# Altium PCB amp.PcbDoc (part 8 of 20)
Units mm, origin at the board's own origin, x right, y up, seen from the top; angles counter-clockwise.
Board outline 210 x 210 mm, 2 copper layers (Top Layer, Bottom Layer); 742 components, 1354 nets, 6402 pads, 5154 vias.
Unrouted connection lines stored in the file: 702.
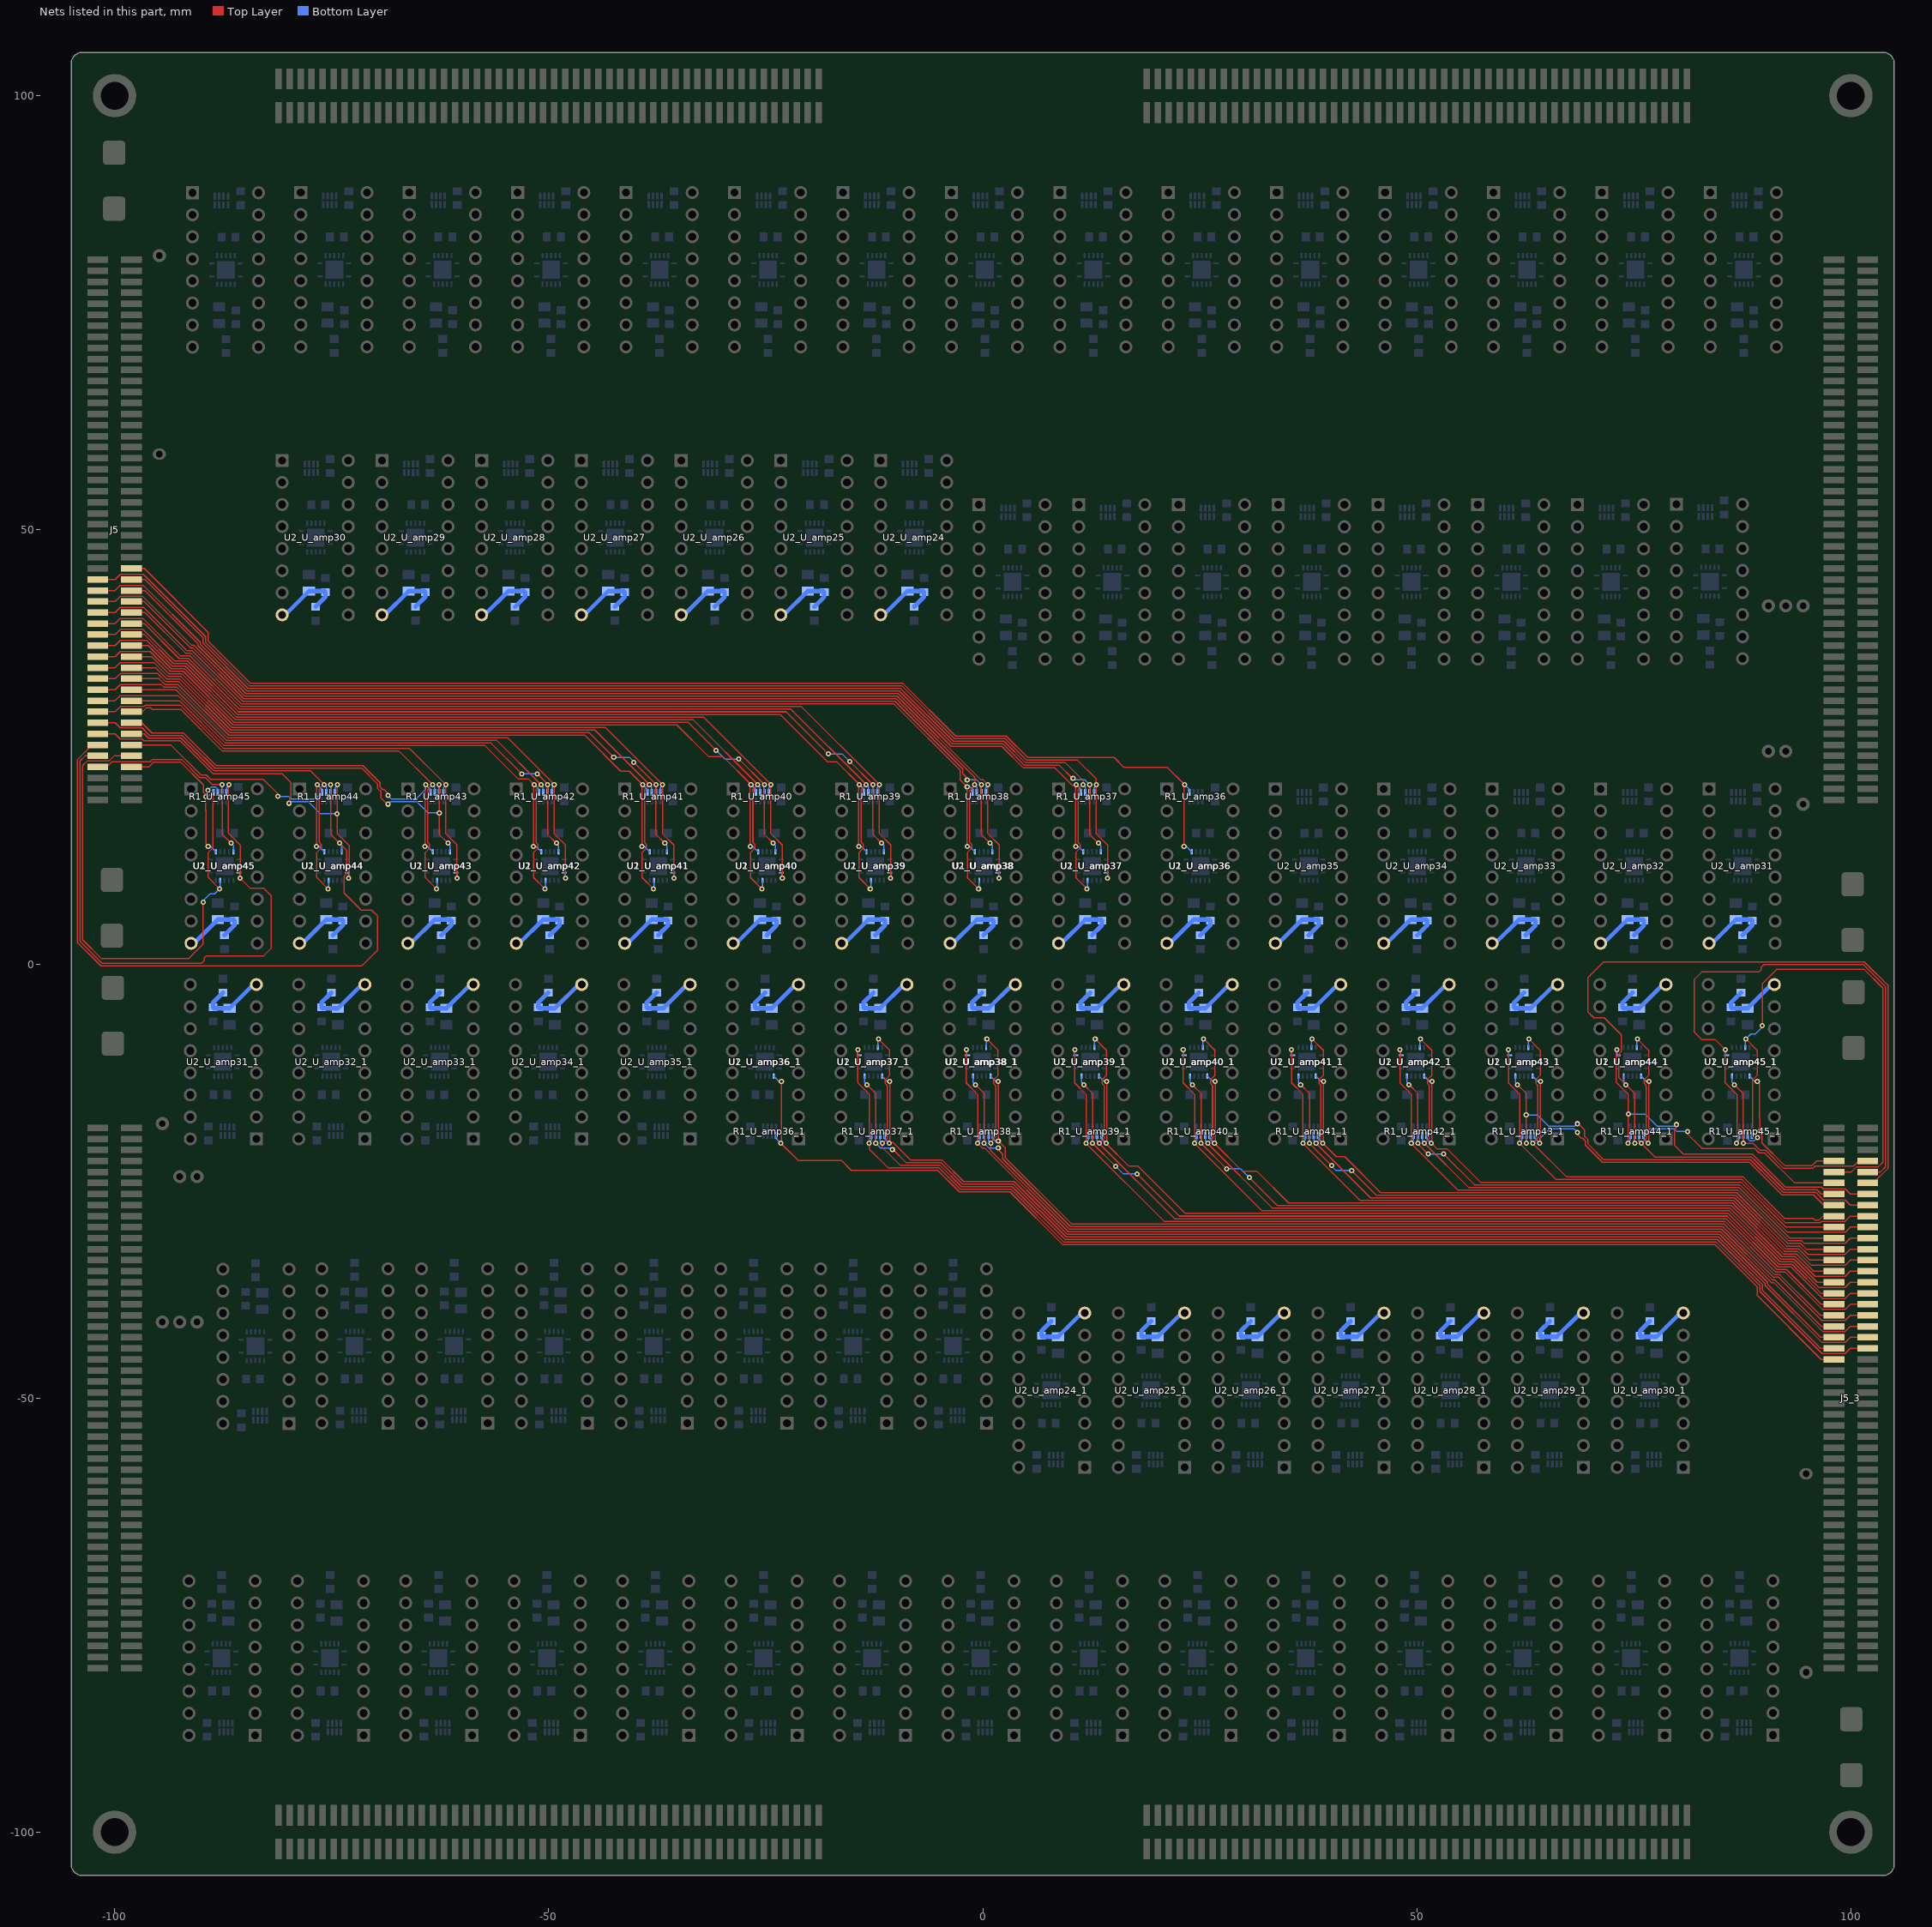
[diagram p8: the nets of this part, all layers, seen from the top]

## Via types
v1: diameter 0.6, hole 0.3, Top Layer to Bottom Layer, tented both sides, 4704 vias
v2: diameter 0.5, hole 0.3, Top Layer to Bottom Layer, 450 vias

## Nets (pads, with @x,y where several pads share a name; then routed paths per layer and width w, separated by ;. In a path a pad name is that pad's centre, name@x,y a point inside that pad or via, vN(x,y) a via of type N, cw(c..) or ccw(c..) an arc to the next point about the centre after c; other vN are vias at no path point) (continued)
NetC3_U_amp24_2: C3_U_amp24.2 C3_U_amp24_1.2 C4_U_amp24.2 C4_U_amp24_1.2 R2_U_amp24.1 R2_U_amp24_1.1 U2_U_amp24.8 U2_U_amp24_1.8 | length 16.7
  Bottom Layer w0.5: U2_U_amp24.8@-11.757,40.216 -11.395,40.216 C4_U_amp24.2@-8.668,42.943 -6.867,42.943 C3_U_amp24.2@-6.763,42.839 -6.763,42.28 R2_U_amp24.1@-7.906,41.137 ; R2_U_amp24_1.1@7.906,-41.137 6.763,-42.28 C3_U_amp24_1.2@6.763,-42.839 6.867,-42.943 C4_U_amp24_1.2@8.668,-42.943 11.395,-40.216 U2_U_amp24_1.8@11.757,-40.216
NetC3_U_amp25_2: C3_U_amp25.2 C3_U_amp25_1.2 C4_U_amp25.2 C4_U_amp25_1.2 R2_U_amp25.1 R2_U_amp25_1.1 U2_U_amp25.8 U2_U_amp25_1.8 | length 16.7
  Bottom Layer w0.5: U2_U_amp25.8@-23.247,40.216 -22.885,40.216 C4_U_amp25.2@-20.158,42.943 -18.357,42.943 C3_U_amp25.2@-18.253,42.839 -18.253,42.28 R2_U_amp25.1@-19.396,41.137 ; R2_U_amp25_1.1@19.396,-41.137 18.253,-42.28 C3_U_amp25_1.2@18.253,-42.839 18.357,-42.943 C4_U_amp25_1.2@20.158,-42.943 22.885,-40.216 U2_U_amp25_1.8@23.247,-40.216
NetC3_U_amp26_2: C3_U_amp26.2 C3_U_amp26_1.2 C4_U_amp26.2 C4_U_amp26_1.2 R2_U_amp26.1 R2_U_amp26_1.1 U2_U_amp26.8 U2_U_amp26_1.8 | length 16.7
  Bottom Layer w0.5: U2_U_amp26.8@-34.737,40.216 -34.375,40.216 C4_U_amp26.2@-31.648,42.943 -29.847,42.943 C3_U_amp26.2@-29.743,42.839 -29.743,42.28 R2_U_amp26.1@-30.886,41.137 ; R2_U_amp26_1.1@30.886,-41.137 29.743,-42.28 C3_U_amp26_1.2@29.743,-42.839 29.847,-42.943 C4_U_amp26_1.2@31.648,-42.943 34.375,-40.216 U2_U_amp26_1.8@34.737,-40.216
NetC3_U_amp27_2: C3_U_amp27.2 C3_U_amp27_1.2 C4_U_amp27.2 C4_U_amp27_1.2 R2_U_amp27.1 R2_U_amp27_1.1 U2_U_amp27.8 U2_U_amp27_1.8 | length 16.7
  Bottom Layer w0.5: U2_U_amp27.8@-46.228,40.216 -45.866,40.216 C4_U_amp27.2@-43.139,42.943 -41.338,42.943 C3_U_amp27.2@-41.234,42.839 -41.234,42.28 R2_U_amp27.1@-42.377,41.137 ; R2_U_amp27_1.1@42.377,-41.137 41.234,-42.28 C3_U_amp27_1.2@41.234,-42.839 41.338,-42.943 C4_U_amp27_1.2@43.139,-42.943 45.866,-40.216 U2_U_amp27_1.8@46.228,-40.216
NetC3_U_amp28_2: C3_U_amp28.2 C3_U_amp28_1.2 C4_U_amp28.2 C4_U_amp28_1.2 R2_U_amp28.1 R2_U_amp28_1.1 U2_U_amp28.8 U2_U_amp28_1.8 | length 16.7
  Bottom Layer w0.5: U2_U_amp28.8@-57.718,40.216 -57.356,40.216 C4_U_amp28.2@-54.629,42.943 -52.828,42.943 C3_U_amp28.2@-52.724,42.839 -52.724,42.28 R2_U_amp28.1@-53.867,41.137 ; R2_U_amp28_1.1@53.867,-41.137 52.724,-42.28 C3_U_amp28_1.2@52.724,-42.839 52.828,-42.943 C4_U_amp28_1.2@54.629,-42.943 57.356,-40.216 U2_U_amp28_1.8@57.718,-40.216
NetC3_U_amp29_2: C3_U_amp29.2 C3_U_amp29_1.2 C4_U_amp29.2 C4_U_amp29_1.2 R2_U_amp29.1 R2_U_amp29_1.1 U2_U_amp29.8 U2_U_amp29_1.8 | length 16.7
  Bottom Layer w0.5: U2_U_amp29.8@-69.208,40.216 -68.846,40.216 C4_U_amp29.2@-66.119,42.943 -64.318,42.943 C3_U_amp29.2@-64.214,42.839 -64.214,42.28 R2_U_amp29.1@-65.357,41.137 ; R2_U_amp29_1.1@65.357,-41.137 64.214,-42.28 C3_U_amp29_1.2@64.214,-42.839 64.318,-42.943 C4_U_amp29_1.2@66.119,-42.943 68.846,-40.216 U2_U_amp29_1.8@69.208,-40.216
NetC3_U_amp30_2: C3_U_amp30.2 C3_U_amp30_1.2 C4_U_amp30.2 C4_U_amp30_1.2 R2_U_amp30.1 R2_U_amp30_1.1 U2_U_amp30.8 U2_U_amp30_1.8 | length 16.7
  Bottom Layer w0.5: U2_U_amp30.8@-80.698,40.216 -80.336,40.216 C4_U_amp30.2@-77.609,42.943 -75.808,42.943 C3_U_amp30.2@-75.704,42.839 -75.704,42.28 R2_U_amp30.1@-76.847,41.137 ; R2_U_amp30_1.1@76.847,-41.137 75.704,-42.28 C3_U_amp30_1.2@75.704,-42.839 75.808,-42.943 C4_U_amp30_1.2@77.609,-42.943 80.336,-40.216 U2_U_amp30_1.8@80.698,-40.216
NetC3_U_amp31_2: C3_U_amp31.2 C3_U_amp31_1.2 C4_U_amp31.2 C4_U_amp31_1.2 R2_U_amp31.1 R2_U_amp31_1.1 U2_U_amp31.8 U2_U_amp31_1.8 | length 16.7
  Bottom Layer w0.5: R2_U_amp31_1.1@-87.519,-3.304 -88.662,-4.447 C3_U_amp31_1.2@-88.662,-5.006 -88.558,-5.11 C4_U_amp31_1.2@-86.757,-5.11 -84.03,-2.383 U2_U_amp31_1.8@-83.668,-2.383 ; U2_U_amp31.8@83.668,2.383 84.03,2.383 C4_U_amp31.2@86.757,5.11 88.558,5.11 C3_U_amp31.2@88.662,5.006 88.662,4.447 R2_U_amp31.1@87.519,3.304
NetC3_U_amp32_2: C3_U_amp32.2 C3_U_amp32_1.2 C4_U_amp32.2 C4_U_amp32_1.2 R2_U_amp32.1 R2_U_amp32_1.1 U2_U_amp32.8 U2_U_amp32_1.8 | length 16.7
  Bottom Layer w0.5: R2_U_amp32_1.1@-75.029,-3.304 -76.172,-4.447 C3_U_amp32_1.2@-76.172,-5.006 -76.068,-5.11 C4_U_amp32_1.2@-74.267,-5.11 -71.54,-2.383 U2_U_amp32_1.8@-71.178,-2.383 ; U2_U_amp32.8@71.178,2.383 71.54,2.383 C4_U_amp32.2@74.267,5.11 76.068,5.11 C3_U_amp32.2@76.172,5.006 76.172,4.447 R2_U_amp32.1@75.029,3.304
NetC3_U_amp33_2: C3_U_amp33.2 C3_U_amp33_1.2 C4_U_amp33.2 C4_U_amp33_1.2 R2_U_amp33.1 R2_U_amp33_1.1 U2_U_amp33.8 U2_U_amp33_1.8 | length 16.7
  Bottom Layer w0.5: R2_U_amp33_1.1@-62.539,-3.304 -63.682,-4.447 C3_U_amp33_1.2@-63.682,-5.006 -63.578,-5.11 C4_U_amp33_1.2@-61.777,-5.11 -59.05,-2.383 U2_U_amp33_1.8@-58.688,-2.383 ; U2_U_amp33.8@58.688,2.383 59.05,2.383 C4_U_amp33.2@61.777,5.11 63.578,5.11 C3_U_amp33.2@63.682,5.006 63.682,4.447 R2_U_amp33.1@62.539,3.304
NetC3_U_amp34_2: C3_U_amp34.2 C3_U_amp34_1.2 C4_U_amp34.2 C4_U_amp34_1.2 R2_U_amp34.1 R2_U_amp34_1.1 U2_U_amp34.8 U2_U_amp34_1.8 | length 16.7
  Bottom Layer w0.5: R2_U_amp34_1.1@-50.048,-3.304 -51.191,-4.447 C3_U_amp34_1.2@-51.191,-5.006 -51.087,-5.11 C4_U_amp34_1.2@-49.286,-5.11 -46.559,-2.383 U2_U_amp34_1.8@-46.197,-2.383 ; U2_U_amp34.8@46.197,2.383 46.559,2.383 C4_U_amp34.2@49.286,5.11 51.087,5.11 C3_U_amp34.2@51.191,5.006 51.191,4.447 R2_U_amp34.1@50.048,3.304
NetC3_U_amp35_2: C3_U_amp35.2 C3_U_amp35_1.2 C4_U_amp35.2 C4_U_amp35_1.2 R2_U_amp35.1 R2_U_amp35_1.1 U2_U_amp35.8 U2_U_amp35_1.8 | length 16.7
  Bottom Layer w0.5: R2_U_amp35_1.1@-37.558,-3.304 -38.701,-4.447 C3_U_amp35_1.2@-38.701,-5.006 -38.597,-5.11 C4_U_amp35_1.2@-36.796,-5.11 -34.069,-2.383 U2_U_amp35_1.8@-33.707,-2.383 ; U2_U_amp35.8@33.707,2.383 34.069,2.383 C4_U_amp35.2@36.796,5.11 38.597,5.11 C3_U_amp35.2@38.701,5.006 38.701,4.447 R2_U_amp35.1@37.558,3.304
NetC3_U_amp36_2: C3_U_amp36.2 C3_U_amp36_1.2 C4_U_amp36.2 C4_U_amp36_1.2 R2_U_amp36.1 R2_U_amp36_1.1 U2_U_amp36.8 U2_U_amp36_1.8 | length 16.7
  Bottom Layer w0.5: R2_U_amp36_1.1@-25.068,-3.304 -26.211,-4.447 C3_U_amp36_1.2@-26.211,-5.006 -26.107,-5.11 C4_U_amp36_1.2@-24.306,-5.11 -21.579,-2.383 U2_U_amp36_1.8@-21.217,-2.383 ; U2_U_amp36.8@21.217,2.383 21.579,2.383 C4_U_amp36.2@24.306,5.11 26.107,5.11 C3_U_amp36.2@26.211,5.006 26.211,4.447 R2_U_amp36.1@25.068,3.304
NetC3_U_amp37_2: C3_U_amp37.2 C3_U_amp37_1.2 C4_U_amp37.2 C4_U_amp37_1.2 R2_U_amp37.1 R2_U_amp37_1.1 U2_U_amp37.8 U2_U_amp37_1.8 | length 16.7
  Bottom Layer w0.5: R2_U_amp37_1.1@-12.578,-3.304 -13.721,-4.447 C3_U_amp37_1.2@-13.721,-5.006 -13.617,-5.11 C4_U_amp37_1.2@-11.816,-5.11 -9.089,-2.383 U2_U_amp37_1.8@-8.727,-2.383 ; U2_U_amp37.8@8.727,2.383 9.089,2.383 C4_U_amp37.2@11.816,5.11 13.617,5.11 C3_U_amp37.2@13.721,5.006 13.721,4.447 R2_U_amp37.1@12.578,3.304
NetC3_U_amp38_2: C3_U_amp38.2 C3_U_amp38_1.2 C4_U_amp38.2 C4_U_amp38_1.2 R2_U_amp38.1 R2_U_amp38_1.1 U2_U_amp38.8 U2_U_amp38_1.8 | length 16.7
  Bottom Layer w0.5: U2_U_amp38.8@-3.763,2.383 -3.401,2.383 C4_U_amp38.2@-0.674,5.11 1.127,5.11 C3_U_amp38.2@1.231,5.006 1.231,4.447 R2_U_amp38.1@0.088,3.304 ; R2_U_amp38_1.1@-0.088,-3.304 -1.231,-4.447 C3_U_amp38_1.2@-1.231,-5.006 -1.127,-5.11 C4_U_amp38_1.2@0.674,-5.11 3.401,-2.383 U2_U_amp38_1.8@3.763,-2.383
NetC3_U_amp39_2: C3_U_amp39.2 C3_U_amp39_1.2 C4_U_amp39.2 C4_U_amp39_1.2 R2_U_amp39.1 R2_U_amp39_1.1 U2_U_amp39.8 U2_U_amp39_1.8 | length 16.7
  Bottom Layer w0.5: U2_U_amp39.8@-16.254,2.383 -15.892,2.383 C4_U_amp39.2@-13.165,5.11 -11.364,5.11 C3_U_amp39.2@-11.26,5.006 -11.26,4.447 R2_U_amp39.1@-12.403,3.304 ; R2_U_amp39_1.1@12.403,-3.304 11.26,-4.447 11.26,-5.006 11.364,-5.11 13.165,-5.11 15.892,-2.383 U2_U_amp39_1.8@16.254,-2.383
NetC3_U_amp40_2: C3_U_amp40.2 C3_U_amp40_1.2 C4_U_amp40.2 C4_U_amp40_1.2 R2_U_amp40.1 R2_U_amp40_1.1 U2_U_amp40.8 U2_U_amp40_1.8 | length 16.7
  Bottom Layer w0.5: U2_U_amp40.8@-28.744,2.383 -28.382,2.383 C4_U_amp40.2@-25.655,5.11 -23.854,5.11 C3_U_amp40.2@-23.75,5.006 -23.75,4.447 R2_U_amp40.1@-24.893,3.304 ; R2_U_amp40_1.1@24.893,-3.304 23.75,-4.447 C3_U_amp40_1.2@23.75,-5.006 23.854,-5.11 C4_U_amp40_1.2@25.655,-5.11 28.382,-2.383 U2_U_amp40_1.8@28.744,-2.383
NetC3_U_amp41_2: C3_U_amp41.2 C3_U_amp41_1.2 C4_U_amp41.2 C4_U_amp41_1.2 R2_U_amp41.1 R2_U_amp41_1.1 U2_U_amp41.8 U2_U_amp41_1.8 | length 16.7
  Bottom Layer w0.5: U2_U_amp41.8@-41.234,2.383 -40.872,2.383 C4_U_amp41.2@-38.145,5.11 -36.344,5.11 C3_U_amp41.2@-36.24,5.006 -36.24,4.447 R2_U_amp41.1@-37.383,3.304 ; R2_U_amp41_1.1@37.383,-3.304 36.24,-4.447 C3_U_amp41_1.2@36.24,-5.006 36.344,-5.11 C4_U_amp41_1.2@38.145,-5.11 40.872,-2.383 U2_U_amp41_1.8@41.234,-2.383
NetC3_U_amp42_2: C3_U_amp42.2 C3_U_amp42_1.2 C4_U_amp42.2 C4_U_amp42_1.2 R2_U_amp42.1 R2_U_amp42_1.1 U2_U_amp42.8 U2_U_amp42_1.8 | length 16.7
  Bottom Layer w0.5: U2_U_amp42.8@-53.724,2.383 -53.362,2.383 C4_U_amp42.2@-50.635,5.11 -48.834,5.11 C3_U_amp42.2@-48.73,5.006 -48.73,4.447 R2_U_amp42.1@-49.873,3.304 ; R2_U_amp42_1.1@49.873,-3.304 48.73,-4.447 C3_U_amp42_1.2@48.73,-5.006 48.834,-5.11 C4_U_amp42_1.2@50.635,-5.11 53.362,-2.383 U2_U_amp42_1.8@53.724,-2.383
NetC3_U_amp43_2: C3_U_amp43.2 C3_U_amp43_1.2 C4_U_amp43.2 C4_U_amp43_1.2 R2_U_amp43.1 R2_U_amp43_1.1 U2_U_amp43.8 U2_U_amp43_1.8 | length 16.7
  Bottom Layer w0.5: U2_U_amp43.8@-66.214,2.383 -65.852,2.383 C4_U_amp43.2@-63.125,5.11 -61.324,5.11 C3_U_amp43.2@-61.22,5.006 -61.22,4.447 R2_U_amp43.1@-62.363,3.304 ; R2_U_amp43_1.1@62.363,-3.304 61.22,-4.447 C3_U_amp43_1.2@61.22,-5.006 61.324,-5.11 C4_U_amp43_1.2@63.125,-5.11 65.852,-2.383 U2_U_amp43_1.8@66.214,-2.383
NetC3_U_amp44_2: C3_U_amp44.2 C3_U_amp44_1.2 C4_U_amp44.2 C4_U_amp44_1.2 R2_U_amp44.1 R2_U_amp44_1.1 U2_U_amp44.8 U2_U_amp44_1.8 | length 16.7
  Bottom Layer w0.5: U2_U_amp44.8@-78.705,2.383 -78.343,2.383 C4_U_amp44.2@-75.616,5.11 -73.815,5.11 C3_U_amp44.2@-73.711,5.006 -73.711,4.447 R2_U_amp44.1@-74.854,3.304 ; R2_U_amp44_1.1@74.854,-3.304 73.711,-4.447 C3_U_amp44_1.2@73.711,-5.006 73.815,-5.11 C4_U_amp44_1.2@75.616,-5.11 78.343,-2.383 U2_U_amp44_1.8@78.705,-2.383
NetC3_U_amp45_2: C3_U_amp45.2 C3_U_amp45_1.2 C4_U_amp45.2 C4_U_amp45_1.2 R2_U_amp45.1 R2_U_amp45_1.1 U2_U_amp45.8 U2_U_amp45_1.8 | length 16.7
  Bottom Layer w0.5: U2_U_amp45.8@-91.195,2.383 -90.833,2.383 C4_U_amp45.2@-88.106,5.11 -86.305,5.11 C3_U_amp45.2@-86.201,5.006 -86.201,4.447 R2_U_amp45.1@-87.344,3.304 ; R2_U_amp45_1.1@87.344,-3.304 86.201,-4.447 C3_U_amp45_1.2@86.201,-5.006 86.305,-5.11 C4_U_amp45_1.2@88.106,-5.11 90.833,-2.383 U2_U_amp45_1.8@91.195,-2.383
NetC3_U_amp46_2: 
NetC3_U_amp47_2: 
NetC3_U_amp48_2: 
NetC3_U_amp49_2: 
NetC3_U_amp50_2: 
NetC3_U_amp51_2: 
NetC3_U_amp52_2: 
NetC3_U_amp53_2: 
NetC3_U_amp54_2: 
NetC3_U_amp55_2: 
NetC3_U_amp56_2: 
NetC3_U_amp57_2: 
NetC3_U_amp58_2: 
NetC3_U_amp59_2: 
NetC3_U_amp60_2: 
NetC3_U_amp61_2: 
NetC3_U_amp62_2: 
NetC3_U_amp63_2: 
NetC3_U_amp64_2: 
NetC3_U_amp65_2: 
NetC3_U_amp66_2: 
NetC3_U_amp67_2: 
NetC3_U_amp68_2: 
NetC3_U_amp69_2: 
NetC3_U_amp70_2: 
NetC3_U_amp71_2: 
NetC3_U_amp72_2: 
NetC3_U_amp73_2: 
NetC3_U_amp74_2: 
NetC3_U_amp75_2: 
NetC3_U_amp76_2: 
NetC3_U_amp77_2: 
NetC3_U_amp78_2: 
NetC3_U_amp79_2: 
NetC3_U_amp80_2: 
NetC3_U_amp81_2: 
NetC3_U_amp82_2: 
NetC3_U_amp83_2: 
NetC3_U_amp84_2: 
NetC3_U_amp85_2: 
NetC3_U_amp86_2: 
NetC3_U_amp87_2: 
NetC3_U_amp88_2: 
NetC3_U_amp89_2: 
NetC3_U_amp90_2: 
NetJ1_7: 
NetJ1_8: 
NetJ1_9: 
NetJ1_10: 
NetJ1_11: 
NetJ1_12: 
NetJ1_13: 
NetJ1_14: 
NetJ1_15: 
NetJ1_16: 
NetJ1_17: 
NetJ1_18: 
NetJ1_19: 
NetJ1_20: 
NetJ1_21: 
NetJ1_22: 
NetJ1_23: 
NetJ1_24: 
NetJ1_25: 
NetJ1_26: 
NetJ1_27: 
NetJ1_28: 
NetJ1_29: 
NetJ1_30: 
NetJ1_31: 
NetJ1_32: 
NetJ1_33: 
NetJ1_34: 
NetJ1_35: 
NetJ1_36: 
NetJ1_37: 
NetJ1_38: 
NetJ1_39: 
NetJ1_40: 
NetJ1_41: 
NetJ1_42: 
NetJ1_43: 
NetJ1_44: 
NetJ1_45: 
NetJ1_46: 
NetJ1_47: 
NetJ1_48: 
NetJ1_49: 
NetJ1_50: 
NetJ1_51: 
NetJ1_52: 
NetJ1_53: 
NetJ1_54: 
NetJ1_55: 
NetJ1_56: 
NetJ1_57: 
NetJ1_58: 
NetJ1_59: 
NetJ1_60: 
NetJ1_61: 
NetJ1_62: 
NetJ1_63: 
NetJ1_64: 
NetJ1_65: 
NetJ1_66: 
NetJ1_67: 
NetJ1_68: 
NetJ1_69: 
NetJ1_70: 
NetJ1_71: 
NetJ1_72: 
NetJ1_73: 
NetJ1_74: 
NetJ1_75: 
NetJ1_76: 
NetJ1_77: 
NetJ1_78: 
NetJ1_79: 
NetJ1_80: 
NetJ1_81: 
NetJ1_82: 
NetJ1_83: 
NetJ1_84: 
NetJ1_85: 
NetJ1_86: 
NetJ1_87: 
NetJ1_88: 
NetJ1_89: 
NetJ1_90: 
NetJ1_91: 
NetJ1_92: 
NetJ1_93: 
NetJ1_94: 
NetJ1_95: 
NetJ1_96: 
NetJ2_7: 
NetJ2_8: 
NetJ2_9: 
NetJ2_10: 
NetJ2_11: 
NetJ2_12: 
NetJ2_13: 
NetJ2_14: 
NetJ2_15: 
NetJ2_16: 
NetJ2_17: 
NetJ2_18: 
NetJ2_19: 
NetJ2_20: 
NetJ2_21: 
NetJ2_22: 
NetJ2_23: 
NetJ2_24: 
NetJ2_25: 
NetJ2_26: 
NetJ2_27: 
NetJ2_28: 
NetJ2_29: 
NetJ2_30: 
NetJ2_31: 
NetJ2_32: 
NetJ2_33: 
NetJ2_34: 
NetJ2_35: 
NetJ2_36: 
NetJ2_37: 
NetJ2_38: 
NetJ2_39: 
NetJ2_40: 
NetJ2_41: 
NetJ2_42: 
NetJ2_43: 
NetJ2_44: 
NetJ2_45: 
NetJ2_46: 
NetJ2_47: 
NetJ2_48: 
NetJ2_49: 
NetJ2_50: 
NetJ2_51: 
NetJ2_52: 
NetJ2_53: 
NetJ2_54: 
NetJ2_55: 
NetJ2_56: 
NetJ2_57: 
NetJ2_58: 
NetJ2_59: 
NetJ2_60: 
NetJ2_61: 
NetJ2_62: 
NetJ2_63: 
NetJ2_64: 
NetJ2_65: 
NetJ2_66: 
NetJ2_67: 
NetJ2_68: 
NetJ2_69: 
NetJ2_70: 
NetJ2_71: 
NetJ2_72: 
NetJ2_73: 
NetJ2_74: 
NetJ2_75: 
NetJ2_76: 
NetJ2_77: 
NetJ2_78: 
NetJ2_79: 
NetJ2_80: 
NetJ2_81: 
NetJ2_82: 
NetJ2_83: 
NetJ2_84: 
NetJ2_85: 
NetJ2_86: 
NetJ2_87: 
NetJ2_88: 
NetJ2_89: 
NetJ2_90: 
NetJ2_91: 
NetJ2_92: 
NetJ2_93: 
NetJ2_94: 
NetJ2_95: 
NetJ2_96: 
NetJ3_7: 
NetJ3_8: 
NetJ3_9: 
NetJ3_10: 
NetJ3_11: 
NetJ3_12: 
NetJ3_13: 
NetJ3_14: 
NetJ3_15: 
NetJ3_16: 
NetJ3_17: 
NetJ3_18: 
NetJ3_19: 
NetJ3_20: 
NetJ3_21: 
NetJ3_22: 
NetJ3_23: 
NetJ3_24: 
NetJ3_25: 
NetJ3_26: 
NetJ3_27: 
NetJ3_28: 
NetJ3_29: 
NetJ3_30: 
NetJ3_31: 
NetJ3_32: 
NetJ3_33: 
NetJ3_34: 
NetJ3_35: 
NetJ3_36: 
NetJ3_37: 
NetJ3_38: 
NetJ3_39: 
NetJ3_40: 
NetJ3_41: 
NetJ3_42: 
NetJ3_43: 
NetJ3_44: 
NetJ3_45: 
NetJ3_46: 
NetJ3_47: 
NetJ3_48: 
NetJ3_49: 
NetJ3_50: 
NetJ3_51: 
NetJ3_52: 
NetJ3_53: 
NetJ3_54: 
NetJ3_55: 
NetJ3_56: 
NetJ3_57: 
NetJ3_58: 
NetJ3_59: 
NetJ3_60: 
NetJ3_61: 
NetJ3_62: 
NetJ3_63: 
NetJ3_64: 
NetJ3_65: 
NetJ3_66: 
NetJ3_67: 
NetJ3_68: 
NetJ3_69: 
NetJ3_70: 
NetJ3_71: 
NetJ3_72: 
NetJ3_73: 
NetJ3_74: 
NetJ3_75: 
NetJ3_76: 
NetJ3_77: 
NetJ3_78: 
NetJ3_79: 
NetJ3_80: 
NetJ3_81: 
NetJ3_82: 
NetJ3_83: 
NetJ3_84: 
NetJ3_85: 
NetJ3_86: 
NetJ3_87: 
NetJ3_88: 
NetJ3_89: 
NetJ3_90: 
NetJ3_91: 
NetJ3_92: 
NetJ3_93: 
NetJ3_94: 
NetJ3_95: 
NetJ3_96: 
NetJ4_7: 
NetJ4_8: 
NetJ4_9: 
NetJ4_10: 
NetJ4_11: 
NetJ4_12: 
NetJ4_13: 
NetJ4_14: 
NetJ4_15: 
NetJ4_16: 
NetJ4_17: 
NetJ4_18: 
NetJ4_19: 
NetJ4_20: 
NetJ4_21: 
NetJ4_22: 
NetJ4_23: 
NetJ4_24: 
NetJ4_25: 
NetJ4_26: 
NetJ4_27: 
NetJ4_28: 
NetJ4_29: 
NetJ4_30: 
NetJ4_31: 
NetJ4_32: 
NetJ4_33: 
NetJ4_34: 
NetJ4_35: 
NetJ4_36: 
NetJ4_37: 
NetJ4_38: 
NetJ4_39: 
NetJ4_40: 
NetJ4_41: 
NetJ4_42: 
NetJ4_43: 
NetJ4_44: 
NetJ4_45: 
NetJ4_46: 
NetJ4_47: 
NetJ4_48: 
NetJ4_49: 
NetJ4_50: 
NetJ4_51: 
NetJ4_52: 
NetJ4_53: 
NetJ4_54: 
NetJ4_55: 
NetJ4_56: 
NetJ4_57: 
NetJ4_58: 
NetJ4_59: 
NetJ4_60: 
NetJ4_61: 
NetJ4_62: 
NetJ4_63: 
NetJ4_64: 
NetJ4_65: 
NetJ4_66: 
NetJ4_67: 
NetJ4_68: 
NetJ4_69: 
NetJ4_70: 
NetJ4_71: 
NetJ4_72: 
NetJ4_73: 
NetJ4_74: 
NetJ4_75: 
NetJ4_76: 
NetJ4_77: 
NetJ4_78: 
NetJ4_79: 
NetJ4_80: 
NetJ4_81: 
NetJ4_82: 
NetJ4_83: 
NetJ4_84: 
NetJ4_85: 
NetJ4_86: 
NetJ4_87: 
NetJ4_88: 
NetJ4_89: 
NetJ4_90: 
NetJ4_91: 
NetJ4_92: 
NetJ4_93: 
NetJ4_94: 
NetJ4_95: 
NetJ4_96: 
NetJ5_7: J5.7 J5_3.7 R1_U_amp45.5 R1_U_amp45_1.5 U1_U_amp45.9 U1_U_amp45_1.9 | length 38.1
  Top Layer w0.15: J5.7@-98.05,22.695 -96.055,22.695 -95.5,23.25 -92.399,23.25 -89.775,20.626 -89.775,19.783 -89.5,19.508 v1(-89.5,19.25) -89.5,17.732 -89.448,17.68 -89.448,13.778 v1(-89.223,13.553) ; v1(89.223,-13.553) 89.448,-13.778 89.448,-17.68 89.5,-17.732 v1(89.5,-19.25) 89.5,-19.508 89.775,-19.783 89.775,-20.626 92.399,-23.25 95.5,-23.25 96.055,-22.695 J5_3.7@98.05,-22.695
  Bottom Layer w0.15: v1@-89.25,19.258 R1_U_amp45.5@-88.717,19.79 ; v1(-89.223,13.553) -88.963,13.553 U1_U_amp45.9@-88.328,12.918 ; R1_U_amp45.5@-88.602,19.768 R1_U_amp45.5@-88.602,20 ; U1_U_amp45_1.9@88.328,-12.918 88.963,-13.553 v1(89.223,-13.553) ; R1_U_amp45_1.5@88.602,-20 R1_U_amp45_1.5@88.602,-19.768 ; R1_U_amp45_1.5@88.717,-19.79 v1@89.25,-19.258
NetJ5_8: J5.8 J5_3.8 R1_U_amp45.7 R1_U_amp45_1.7 U1_U_amp45.13 U1_U_amp45_1.13 | length 50.1
  Top Layer w0.15: J5.8@-101.95,22.695 -100.908,22.695 -100.313,23.29 -95.884,23.29 -95.624,23.55 -92.274,23.55 -90.174,21.45 -89.542,21.45 -88.757,20.665 v1(-87.598,20.665) -87.598,14.925 v1(-86.582,13.909) ; v1(86.582,-13.909) 87.598,-14.925 v1(87.598,-20.665) 88.757,-20.665 89.542,-21.45 90.174,-21.45 92.274,-23.55 95.624,-23.55 95.884,-23.29 100.313,-23.29 100.908,-22.695 J5_3.8@101.95,-22.695
  Bottom Layer w0.15: R1_U_amp45.7@-87.602,19.768 -87.602,20.661 v1(-87.598,20.665) ; v1(-86.582,13.909) -86.328,13.655 U1_U_amp45.13@-86.328,12.918 ; U1_U_amp45_1.13@86.328,-12.918 86.328,-13.655 v1(86.582,-13.909) ; v1(87.598,-20.665) 87.602,-20.661 R1_U_amp45_1.7@87.602,-19.768
NetJ5_9: J5.9 J5_3.9 R1_U_amp45.6 R1_U_amp45_1.6 U1_U_amp45.5 U1_U_amp45_1.5 | length 128.5
  Top Layer w0.15: J5.9@-98.05,23.965 -100.062,23.965 -100.657,23.37 -103.163,23.37 -103.7,22.833 -103.7,2.8 -101.5,0.6 -91.5,0.6 -89.8,2.3 v1(-89.8,7.1) ; v1(-89.25,20) -88.698,19.448 -88.698,13.336 -89.2,12.834 -89.2,9.948 v1(-87.903,8.651) v1@-87.903,8.626 ; v1@87.903,-8.626 v1(87.903,-8.651) 89.2,-9.948 89.2,-12.834 88.698,-13.336 88.698,-19.448 v1(89.25,-20) ; v1(89.8,-7.1) 89.8,-2.3 91.5,-0.6 101.5,-0.6 103.7,-2.8 103.7,-22.833 103.163,-23.37 100.657,-23.37 100.062,-23.965 J5_3.9@98.05,-23.965
  Bottom Layer w0.15: v1(-89.8,7.1) -89.8,7.283 -89.008,8.075 -88.479,8.075 v1(-87.903,8.651) -87.828,8.726 U1_U_amp45.5@-87.828,9.618 ; v1(-89.25,20) -89.238,20 -88.845,20.393 -88.359,20.393 -88.102,20.136 R1_U_amp45.6@-88.102,19.768 ; U1_U_amp45_1.5@87.828,-9.618 87.828,-8.726 v1(87.903,-8.651) 88.479,-8.075 89.008,-8.075 89.8,-7.283 v1(89.8,-7.1) ; R1_U_amp45_1.6@88.102,-19.768 88.102,-20.136 88.359,-20.393 88.845,-20.393 89.238,-20 v1(89.25,-20)
NetJ5_10: J5.10 J5_3.10 R1_U_amp45.8 R1_U_amp45_1.8 U1_U_amp45.1 U1_U_amp45_1.1 | length 141.2
  Top Layer w0.15: J5.10@-101.95,23.965 -103.411,23.965 -104,23.376 -104,2.624 -101.451,0.075 -89.982,0.075 -89.675,0.383 -89.675,0.683 -89.433,0.925 -82.815,0.925 -81.975,1.765 -81.975,7.875 -82.8,8.7 -84.37,8.7 v1(-85.54,9.87) -85.54,13.715 -86.925,15.099 -86.925,20.576 v1(-86.836,20.665) ; v1(86.836,-20.665) 86.925,-20.576 86.925,-15.099 85.54,-13.715 v1(85.54,-9.87) 84.37,-8.7 82.8,-8.7 81.975,-7.875 81.975,-1.765 82.815,-0.925 89.433,-0.925 89.675,-0.683 89.675,-0.383 89.982,-0.075 101.451,-0.075 104,-2.624 104,-23.376 103.411,-23.965 J5_3.10@101.95,-23.965
  Bottom Layer w0.15: R1_U_amp45.8@-87.102,19.768 -87.102,20.272 -86.836,20.538 v1(-86.836,20.665) ; U1_U_amp45.1@-85.678,10.518 -85.54,10.381 v1(-85.54,9.87) ; v1(85.54,-9.87) 85.54,-10.381 U1_U_amp45_1.1@85.678,-10.518 ; v1(86.836,-20.665) 86.836,-20.538 87.102,-20.272 R1_U_amp45_1.8@87.102,-19.768
NetJ5_11: J5.11 J5_3.11 R1_U_amp44.5 R1_U_amp44_1.5 U1_U_amp44.9 U1_U_amp44_1.9 | length 69.3
  Top Layer w0.15: J5.11@-98.05,25.235 -93.535,25.235 -90.05,21.75 -89.418,21.75 -88.918,21.25 -82.85,21.25 -81,19.4 -81.1,19.4 v1(-81.2,19.3) ; v1(-76.733,13.553) -76.733,20.589 v1(-76.657,20.665) ; v1(76.657,-20.665) 76.733,-20.589 v1(76.733,-13.553) ; v1(81.2,-19.3) 81.1,-19.4 81,-19.4 82.85,-21.25 88.918,-21.25 89.418,-21.75 90.05,-21.75 93.535,-25.235 J5_3.11@98.05,-25.235
  Bottom Layer w0.15: v1(-81.2,19.3) -79.958,19.3 -79.658,19 -76.88,19 R1_U_amp44.5@-76.112,19.768 -76.112,20.12 v1(-76.657,20.665) ; v1(-76.733,13.553) -76.473,13.553 U1_U_amp44.9@-75.838,12.918 ; U1_U_amp44_1.9@75.838,-12.918 76.473,-13.553 v1(76.733,-13.553) ; v1(76.657,-20.665) 76.112,-20.12 R1_U_amp44_1.5@76.112,-19.768 76.88,-19 79.658,-19 79.958,-19.3 v1(81.2,-19.3)
NetJ5_12: J5.12 J5_3.12 R1_U_amp44.7 R1_U_amp44_1.7 U1_U_amp44.13 U1_U_amp44_1.13 | length 169.6
  Top Layer w0.15: J5.12@-101.95,25.235 -102.568,25.235 -104.3,23.503 -104.3,2.5 -101.575,-0.225 -71.525,-0.225 -69.7,1.6 -69.7,5.5 -70.4,6.2 -71.6,6.2 -73.575,8.175 -73.575,10.088 -73.35,10.313 -73.35,10.4 -73.275,10.475 -73.275,13.092 v1(-74.092,13.909) -75.108,14.925 v1(-75.108,20.665) ; v1(75.108,-20.665) 75.108,-14.925 v1(74.092,-13.909) 73.275,-13.092 73.275,-10.475 73.35,-10.4 73.35,-10.313 73.575,-10.088 73.575,-8.175 71.6,-6.2 70.4,-6.2 69.7,-5.5 69.7,-1.6 71.525,0.225 101.575,0.225 104.3,-2.5 104.3,-23.503 102.568,-25.235 J5_3.12@101.95,-25.235
  Bottom Layer w0.15: R1_U_amp44.7@-75.112,19.768 -75.112,20.661 v1(-75.108,20.665) ; v1(-74.092,13.909) -73.838,13.655 U1_U_amp44.13@-73.838,12.918 ; U1_U_amp44_1.13@73.838,-12.918 73.838,-13.655 v1(74.092,-13.909) ; v1(75.108,-20.665) 75.112,-20.661 R1_U_amp44_1.7@75.112,-19.768